# Altium PCB Main.PcbDoc (part 3 of 5)
Units mm, origin at the board's own origin, x right, y up, seen from the top; angles counter-clockwise.
Board outline 150.25 x 70.25 mm, 2 copper layers (Top Layer, Bottom Layer); 122 components, 135 nets, 595 pads, 384 vias.
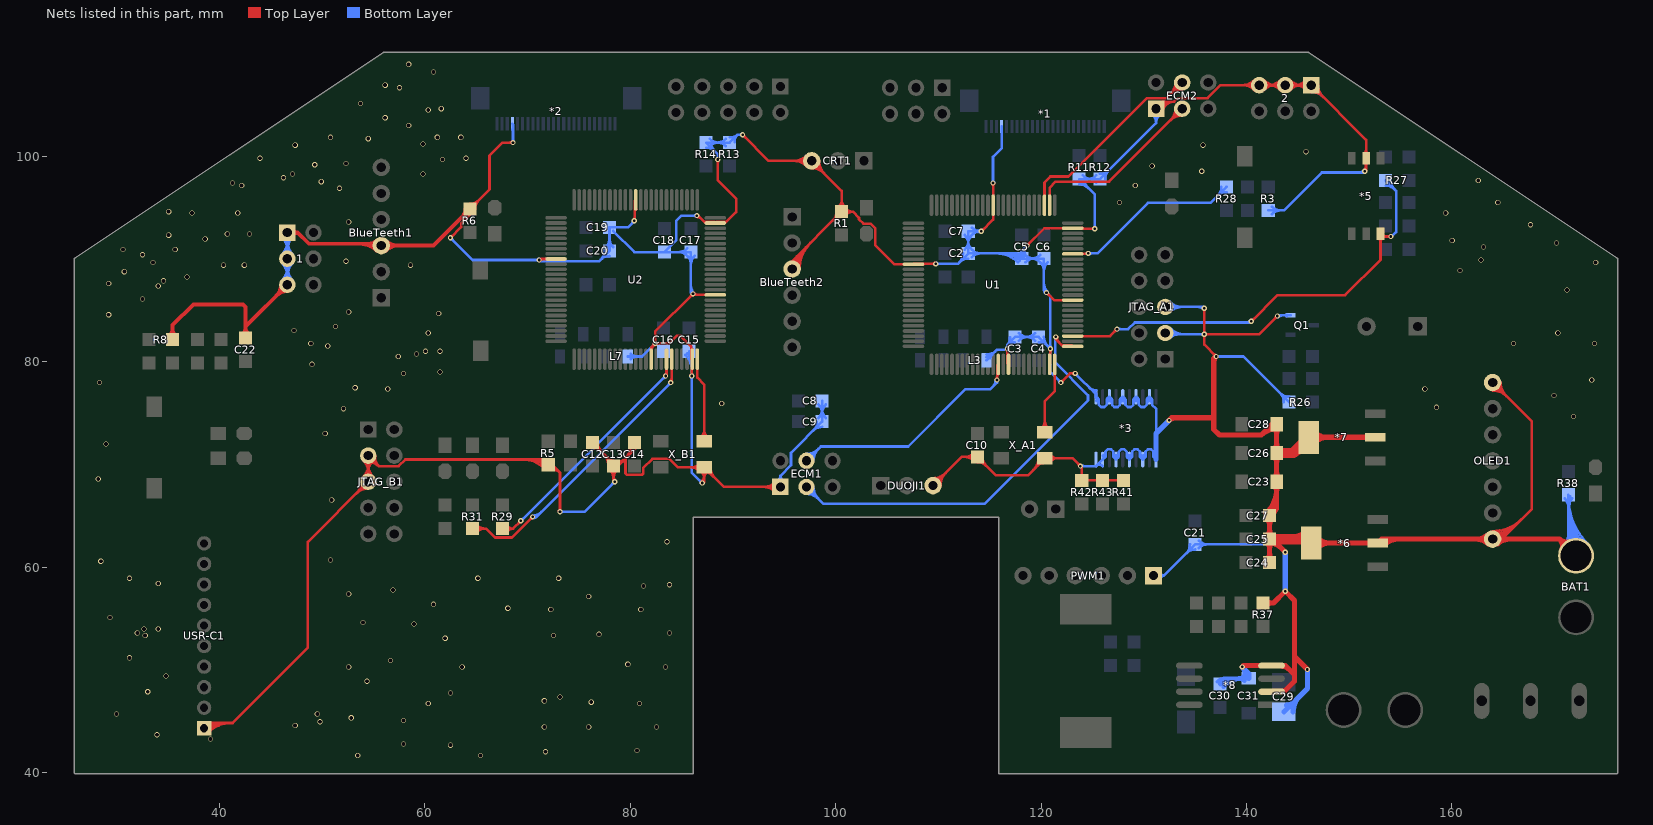
[diagram p3: the nets of this part, all layers, seen from the top]

## Via types
v1: diameter 0.508, hole 0.254, Top Layer to Bottom Layer, tented both sides, 206 vias
v2: diameter 0.508, hole 0.381, Top Layer to Bottom Layer, tented both sides, 164 vias
v3: diameter 0.762, hole 0.508, Top Layer to Bottom Layer, tented both sides, 11 vias
v4: diameter 4.5, hole 4, Top Layer to Bottom Layer, tented both sides, 3 vias

## Nets (pads, with @x,y where several pads share a name; then routed paths per layer and width w, separated by ;. In a path a pad name is that pad's centre, name@x,y a point inside that pad or via, vN(x,y) a via of type N, cw(c..) or ccw(c..) an arc to the next point about the centre after c; other vN are vias at no path point) (continued)
DGND: 1.1 1.3 1.5 2.1 2.3 2.5 *1.4 *2.4 *3.1 *3.3 *3.5 *3.7 *3.9 *3.10 *3.11 *3.13 *3.15 *3.17 *3.19 *5.2 *6.2 *7.2 *8.2 *8.4 BAT1.2 BlueTeeth1.3 BlueTeeth2.3 C2.1 C3.1 C4.1 C5.1 C6.1 C7.1 C8.1 C9.1 C10.1 C12.1 C13.1 C14.1 C15.1 C16.1 C17.1 C18.1 C19.1 C20.1 C21.1 C22.1 C23.2 C24.1 C25.1 C26.2 C27.1 C28.2 C29.2 C30.2 C31.2 CRT1.3 DUOJI1.3 ECM1.1 ECM2.1 JTAG_A1.3 JTAG_A1.5 JTAG_B1.3 JTAG_B1.5 L3.1 L7.1 OLED1.1 OLED1.7 PWM1.1 Q1.2 R1.2 R3.1 R5.1 R6.2 R8.1 R11.1 R12.1 R13.1 R14.1 R26.1 R37.1 R38.2 R41.1 R42.1 R43.1 U1.9 U1.41 U1.49 U1.60 U1.74 U1.88 U2.9 U2.41 U2.49 U2.60 U2.74 U2.88 USR-C1.1 X_A1.2 X_B1.2 | length 1051.1
  Top Layer w0.254: USR-C1.1@38.372,44.458 cw(c39.273,43.556) 39.273,44.831 ; USR-C1.1@38.506,44.323 39.014,44.831 41.275,44.831 48.614,52.17 48.614,62.457 JTAG_B1.5@54.483,68.326 JTAG_B1.3@54.483,70.866 55.51,69.839 ; USR-C1.1@38.551,44.278 cw(c39.886,42.943) 39.886,44.831 ; USR-C1.1@38.731,44.098 cw(c40.499,42.33) 40.499,44.831 ; USR-C1.1@38.911,43.919 cw(c41.113,41.717) 41.113,44.831 ; JTAG_B1.5@53.81,68.326 cw(c52.185,68.326) 53.334,67.177 cw(c54.483,66.028) JTAG_B1.5@54.483,67.653 ; JTAG_B1.5@54.007,68.802 ccw(c52.858,69.951) 54.483,69.951 ccw(c56.108,69.951) JTAG_B1.5@54.959,68.802 ; JTAG_B1.3@54.007,70.39 cw(c52.858,69.241) 54.483,69.241 cw(c56.108,69.241) JTAG_B1.3@54.959,70.39 ; JTAG_B1.5@54.064,68.326 cw(c53.052,68.326) 53.768,67.611 cw(c54.483,66.895) JTAG_B1.5@54.483,67.907 ; JTAG_B1.5@54.187,68.622 ccw(c53.471,69.338) 54.483,69.338 ccw(c55.495,69.338) JTAG_B1.5@54.779,68.622 ; JTAG_B1.3@54.187,70.57 cw(c53.471,69.854) 54.483,69.854 cw(c55.495,69.854) JTAG_B1.3@54.779,70.57 ; JTAG_B1.3@54.518,70.448 cw(c54.581,69.685) 55.122,70.227 cw(c55.664,70.768) JTAG_B1.3@54.901,70.831 ; JTAG_B1.3@54.538,70.195 cw(c54.64,68.969) 55.51,69.839 ; JTAG_B1.3@55.154,70.811 ccw(c56.38,70.709) 55.51,69.839 ; v1(62.484,92.075) 63.527,93.118 63.527,93.445 ; v1@62.484,92.202 ccw(c62.484,92.509) 62.701,92.292 ccw(c62.918,92.075) v1@62.611,92.075 ; 63.848,93.766 ccw(c63.063,94.55) R6.2@64.142,94.81 ; R6.2@63.895,94.75 cw(c62.546,94.426) 63.527,93.445 ; 64.168,94.086 ccw(c63.58,94.675) R6.2@64.389,94.869 ; R6.2@64.389,95.377 ccw(c64.389,96.603) 65.256,95.736 ccw(c66.123,94.869) R6.2@64.897,94.869 ; v1@68.49,101.256 ccw(c68.273,101.039) 68.273,101.346 ccw(c68.273,101.653) v1@68.49,101.436 ; v1(68.58,101.346) 67.564,101.346 66.294,100.076 66.294,96.774 R6.2@64.389,94.869 ; 69.556,70.485 cw(c69.556,67.524) R5.1@71.65,69.618 ; 70.169,70.485 cw(c70.169,68.137) R5.1@71.829,69.797 ; 70.783,70.485 cw(c70.783,68.751) R5.1@72.009,69.977 ; v1(71.12,89.916) 71.215,90.011 U2.9@72.771,90.011 ; v1@71.21,89.826 cw(c71.656,89.38) 71.656,90.011 ; R5.1@71.396,70.485 cw(c71.396,69.364) R5.1@72.189,70.157 ; R5.1@72.075,69.732 cw(c72.28,68.965) 72.841,69.526 ; R5.1@72.14,69.486 cw(c72.411,68.474) 73.152,69.215 ; R5.1@72.517,69.977 ccw(c72.824,69.977) R5.1@72.607,69.76 ; v1@73.062,65.495 ccw(c72.845,65.712) 73.152,65.712 ccw(c73.459,65.712) v1@73.242,65.495 ; v1(73.152,65.405) 73.152,69.215 ; C12.1@76.327,71.628 cw(c76.327,70.402) 77.194,71.269 cw(c78.061,72.136) C12.1@76.835,72.136 ; C12.1@76.327,72.136 78.359,70.104 C13.1@78.359,69.85 ; 77.312,71.151 cw(c76.011,69.85) C13.1@77.851,69.85 ; 77.746,70.717 cw(c76.879,69.85) C13.1@78.105,69.85 ; 77.925,70.538 ccw(c78.359,70.971) C13.1@78.359,70.358 ; C13.1@78,69.491 cw(c77.133,68.624) 78.359,68.624 cw(c79.585,68.624) C13.1@78.718,69.491 ; 78.359,68.939 ccw(c79.099,68.939) v1@78.576,68.416 ; C13.1@78.437,70.092 ccw(c78.678,70.842) 79.235,70.285 ; v1(78.486,68.326) 78.359,68.453 C13.1@78.359,69.85 ; C13.1@78.514,70.334 ccw(c78.821,71.287) 79.529,70.579 ; 79.836,70.886 ccw(c78.981,71.742) C14.1@80.146,72.068 ; C14.1@79.902,71.999 cw(c78.5,71.608) 79.529,70.579 ; 80.144,71.194 ccw(c79.461,71.876) C14.1@80.391,72.136 ; v1@80.301,93.816 ccw(c80.001,94.116) 80.426,94.116 ; 80.391,71.441 79.529,70.579 ; v1(80.391,93.726) 80.426,93.761 80.426,95.665 U2.88@80.524,95.763 ; 80.426,94.536 cw(c80.876,94.536) U2.88@80.558,94.854 ; C14.1@80.451,71.501 ccw(c79.942,72.011) C14.1@80.636,72.204 ; U2.41@82.024,80.259 82.024,81.389 v1(82.423,81.788) ; U2.41@82.072,81.134 cw(c82.803,81.134) v1@82.286,81.651 ; 82.166,81.443 cw(c82.58,81.204) v1@82.456,81.665 ; v1@82.296,81.788 cw(c81.989,81.788) 82.206,81.571 cw(c82.423,81.354) v1@82.423,81.661 ; v1@82.333,81.878 ccw(c82.116,82.095) 82.423,82.095 ccw(c82.73,82.095) 82.513,81.878 ccw(c82.73,82.095) 82.73,81.788 ccw(c82.73,81.481) v1@82.513,81.698 ; v1@85.889,78.703 ccw(c85.672,78.92) 85.979,78.92 ccw(c86.286,78.92) v1@86.069,78.703 ; 85.926,81.486 ccw(c86.376,81.486) U2.49@86.058,81.168 ; v1(85.979,78.613) 85.979,80.214 85.926,80.267 85.926,81.506 84.908,82.523 84.51,82.523 83.775,81.788 v1(82.423,81.788) ; 85.979,79.16 cw(c86.247,79.16) U2.49@86.058,79.35 ; v1@85.979,86.614 cw(c85.672,86.614) 85.889,86.397 cw(c86.106,86.18) v1@86.106,86.487 ; v1@86.196,86.704 ccw(c86.661,87.169) 86.661,86.511 ; v1@86.487,94.107 cw(c86.487,93.505) 86.913,93.931 ; v1(86.487,94.234) 86.609,94.234 87.234,93.609 ; X_B1.2@86.714,69.389 ccw(c85.906,68.581) 85.906,69.723 ccw(c85.906,70.865) X_B1.2@86.714,70.057 ; X_B1.2@86.864,69.389 cw(c86.056,68.581) 87.198,68.581 cw(c88.34,68.581) X_B1.2@87.533,69.389 ; v1@86.905,68.289 ccw(c86.198,68.996) 87.198,68.996 ; v1(86.995,68.199) 87.198,68.402 ; v1@87.001,68.326 ccw(c87.013,68.587) 87.198,68.402 ; v1@87.085,68.109 ccw(c86.811,68.383) 87.198,68.383 ; v1@87.122,68.205 cw(c87.383,68.217) 87.198,68.402 ; 87.202,93.641 ccw(c87.401,93.84) U2.74@87.401,93.559 ; X_B1.2@87.348,69.25 cw(c87.348,68.47) 87.9,69.022 ; U2.74@87.393,93.558 cw(c87.363,93.737) 87.234,93.609 ; X_B1.2@87.567,69.723 ccw(c88.458,69.723) 87.828,69.093 ; X_B1.2@87.821,69.723 ccw(c89.325,69.723) 88.262,68.659 ; U2.60@88.276,86.511 86.209,86.511 v1(86.106,86.614) 82.423,82.931 v1(82.423,81.788) ; v1@88.429,99.605 cw(c88.212,99.388) 88.519,99.388 cw(c88.826,99.388) v1@88.609,99.605 ; v1(88.519,99.695) 88.519,97.663 90.297,95.885 90.297,94.588 89.318,93.609 ; U2.74@89.151,93.559 ccw(c89.151,93.84) 89.35,93.641 ; U2.74@89.159,93.558 ccw(c89.189,93.737) 89.318,93.609 ; v1@90.932,101.981 cw(c90.932,101.674) 91.149,101.891 cw(c91.366,102.108) v1@91.059,102.108 ; v1(90.932,102.108) 93.472,99.568 CRT1.3@97.663,99.568 100.584,96.647 R1.2@100.584,94.615 ; ECM1.1@94.139,67.342 ccw(c92.99,66.193) 92.99,67.818 ccw(c92.99,69.443) ECM1.1@94.139,68.294 ; ECM1.1@94.319,67.522 ccw(c93.603,66.806) 93.603,67.818 ccw(c93.603,68.83) ECM1.1@94.319,68.114 ; ECM1.1@94.615,67.818 89.103,67.818 X_B1.2@87.198,69.723 ; BlueTeeth2.3@95.719,89.027 cw(c97.464,89.027) 96.23,90.261 ; BlueTeeth2.3@95.758,89.027 95.758,89.789 R1.2@100.584,94.615 ; BlueTeeth2.3@95.973,89.027 cw(c98.332,89.027) 96.664,90.695 ; BlueTeeth2.3@96.227,89.027 cw(c99.199,89.027) 97.097,91.128 ; BlueTeeth2.3@96.481,89.027 cw(c100.066,89.027) 97.531,91.562 ; CRT1.3@97.152,99.057 ccw(c95.918,97.823) 95.918,99.568 ccw(c95.918,101.313) CRT1.3@97.152,100.079 ; CRT1.3@97.331,99.236 ccw(c96.531,98.436) 96.531,99.568 ccw(c96.531,100.7) CRT1.3@97.331,99.9 ; CRT1.3@97.663,98.845 cw(c97.663,97.1) 98.897,98.334 cw(c100.131,99.568) CRT1.3@98.386,99.568 ; CRT1.3@97.663,99.099 cw(c97.663,97.967) 98.464,98.767 cw(c99.264,99.568) CRT1.3@98.132,99.568 ; R1.2@100.076,94.615 cw(c98.85,94.615) 99.717,93.748 cw(c100.584,92.881) R1.2@100.584,94.107 ; R1.2@100.225,94.974 ccw(c99.358,95.841) 100.584,95.841 ccw(c101.81,95.841) R1.2@100.943,94.974 ; R1.2@100.976,94.292 cw(c101.66,93.73) 101.66,94.615 ; R1.2@100.976,94.938 ccw(c101.66,95.5) 101.66,94.615 ; U1.9@108.478,89.469 cw(c108.637,89.31) 108.637,89.535 ; DUOJI1.3@109.474,67.945 112.268,70.739 C10.1@113.792,70.739 115.57,68.961 118.745,68.961 120.345,70.561 X_A1.2@120.345,70.612 123.063,70.612 v1(123.825,69.85) 123.952,69.723 R42.1@123.952,68.453 R43.1@125.984,68.453 R41.1@128.016,68.453 ; DUOJI1.3@109.474,68.414 ccw(c109.474,69.546) 110.275,68.746 ccw(c111.075,67.945) DUOJI1.3@109.943,67.945 ; DUOJI1.3@109.474,68.668 ccw(c109.474,70.413) 110.708,69.179 ccw(c111.942,67.945) DUOJI1.3@110.197,67.945 ; v1@109.638,89.445 ccw(c109.421,89.228) 109.421,89.535 ccw(c109.421,89.842) v1@109.638,89.625 ; v1(109.728,89.535) 107.601,89.535 U1.9@107.569,89.503 105.696,89.503 103.859,91.34 103.859,92.995 103.409,93.445 102.684,93.445 102.268,93.861 102.268,94.007 101.66,94.615 ; C10.1@113.433,70.38 ccw(c112.566,69.513) 112.566,70.739 ccw(c112.566,71.965) C10.1@113.433,71.098 ; C10.1@113.792,70.231 cw(c113.792,69.005) 114.659,69.872 cw(c115.526,70.739) C10.1@114.3,70.739 ; v1(114.173,92.71) 115.322,93.859 U1.88@115.322,95.255 115.322,97.403 v1(115.316,97.409) ; v1@114.173,92.837 ccw(c114.173,93.144) 114.39,92.927 ccw(c114.607,92.71) v1@114.3,92.71 ; v1@115.226,97.319 cw(c114.996,97.089) 115.322,97.089 ; 115.322,97.116 cw(c115.609,97.116) v1@115.406,97.319 ; v1@116.623,81.19 cw(c116.381,80.948) 116.724,80.948 ; v1(116.713,81.28) 116.724,81.269 116.724,79.849 U1.41@116.822,79.751 ; 116.724,80.978 ccw(c117.174,80.978) U1.41@116.856,80.66 ; 116.724,80.999 cw(c116.994,80.999) v1@116.803,81.19 ; v1(118.618,91.313) 120.308,93.003 U1.74@123.074,93.003 123.113,92.964 v1(125.222,92.964) ; v1@118.618,91.44 ccw(c118.618,91.747) 118.835,91.53 ccw(c119.052,91.313) v1@118.745,91.313 ; 119.246,69.462 ccw(c118.096,70.612) X_A1.2@119.722,70.612 ; 119.679,69.895 ccw(c118.963,70.612) X_A1.2@119.976,70.612 ; 119.731,69.947 cw(c120.195,69.482) X_A1.2@120.195,70.139 ; v1@120.523,86.614 cw(c120.523,86.307) 120.74,86.524 cw(c120.957,86.741) v1@120.65,86.741 ; v1(120.523,86.741) 121.261,86.003 U1.60@123.074,86.003 ; U1.49@120.788,80.66 ccw(c120.507,80.94) 120.904,80.94 ; v1@120.814,81.19 cw(c120.597,80.973) 120.904,80.973 cw(c121.211,80.973) v1@120.994,81.19 ; U1.49@120.822,79.751 120.904,79.833 v1(120.904,81.28) ; X_A1.2@120.83,70.278 cw(c121.637,69.47) 121.637,70.612 cw(c121.637,71.754) X_A1.2@120.83,70.946 ; v1(121.92,77.978) 122.809,78.867 v1(123.317,78.867) ; v1@121.92,78.105 ccw(c121.92,78.412) 122.137,78.195 ccw(c122.354,77.978) v1@122.047,77.978 ; v1@123.227,78.777 ccw(c123.01,78.56) 123.01,78.867 ccw(c123.01,79.174) v1@123.227,78.957 ; v1@123.698,69.85 ccw(c123.391,69.85) 123.608,70.067 ccw(c123.825,70.284) v1@123.825,69.977 ; U1.74@123.983,93.037 ccw(c124.159,93.213) 124.159,92.964 ; v1@125.132,92.874 ccw(c124.915,92.657) 124.915,92.964 ccw(c124.915,93.271) v1@125.132,93.054 ; ECM2.1@131.105,104.671 cw(c131.955,104.44) ECM2.1@131.955,105.321 ; ECM2.1@131.191,104.648 131.864,105.321 132.952,105.321 ; ECM2.1@131.35,104.605 cw(c132.287,104.35) 132.287,105.321 ; ECM2.1@131.595,104.538 cw(c132.619,104.26) 132.619,105.321 ; ECM2.1@131.84,104.472 cw(c132.952,104.17) 132.952,105.321 ; v1@135.8,82.587 cw(c135.583,82.37) 135.89,82.37 cw(c136.197,82.37) 135.98,82.587 cw(c136.197,82.37) 136.197,82.677 cw(c136.197,82.984) 135.98,82.767 cw(c136.197,82.984) 135.89,82.984 cw(c135.583,82.984) v1@135.8,82.767 ; v1@135.8,85.127 cw(c135.583,84.91) 135.89,84.91 cw(c136.197,84.91) v1@135.98,85.127 ; v1(135.89,85.217) v1(135.89,82.677) ; v1@136.906,80.518 ccw(c136.599,80.518) 136.816,80.735 ccw(c137.033,80.952) v1@137.033,80.645 ; v1(137.033,80.518) 135.89,81.661 v1(135.89,82.677) ; 2.5@140.748,106.458 ccw(c139.599,105.309) 139.599,106.934 ccw(c139.599,108.559) 2.5@140.748,107.41 ; 2.5@140.928,106.638 ccw(c140.212,105.922) 140.212,106.934 ccw(c140.212,107.946) 2.5@140.928,107.23 ; 2.5@141.52,106.638 cw(c142.236,105.922) 142.236,106.934 cw(c142.236,107.946) 2.5@141.52,107.23 ; 2.5@141.7,106.458 cw(c142.849,105.309) 142.849,106.934 cw(c142.849,108.559) 2.5@141.7,107.41 ; v1@142.875,84.455 cw(c142.568,84.455) 142.785,84.238 cw(c143.002,84.021) v1@143.002,84.328 ; v1(143.002,84.455) 141.224,82.677 v1(135.89,82.677) ; 2.3@143.288,106.458 ccw(c142.139,105.309) 142.139,106.934 ccw(c142.139,108.559) 2.3@143.288,107.41 ; 2.3@143.468,106.638 ccw(c142.752,105.922) 142.752,106.934 ccw(c142.752,107.946) 2.3@143.468,107.23 ; 2.3@144.06,106.638 cw(c144.776,105.922) 144.776,106.934 cw(c144.776,107.946) 2.3@144.06,107.23 ; 2.3@144.24,106.458 cw(c145.389,105.309) 145.389,106.934 cw(c145.389,108.559) 2.3@144.24,107.41 ; 2.1@145.828,106.458 ccw(c144.679,105.309) 144.679,106.934 ccw(c144.679,108.559) 2.1@145.828,107.41 ; 2.1@146.008,106.638 ccw(c145.292,105.922) 145.292,106.934 ccw(c145.292,107.946) 2.1@146.008,107.23 ; 2.1@146.304,106.261 cw(c146.304,104.636) 147.453,105.785 cw(c148.602,106.934) 2.1@146.977,106.934 ; 2.1@146.304,106.515 cw(c146.304,105.503) 147.019,106.219 cw(c147.735,106.934) 2.1@146.723,106.934 ; v1@151.421,98.642 ccw(c150.898,99.165) 151.638,99.165 ; *5.2@151.463,99.422 cw(c151.039,98.998) 151.638,98.998 cw(c152.237,98.998) *5.2@151.813,99.422 ; *5.2@151.463,100.222 ccw(c151.039,100.646) 151.638,100.646 ccw(c152.237,100.646) *5.2@151.813,100.222 ; v1(151.511,98.552) 151.638,98.679 *5.2@151.638,99.822 151.638,101.6 2.1@146.304,106.934 2.3@143.764,106.934 2.5@141.224,106.934 137.469,106.934 136.21,105.675 133.306,105.675 132.952,105.321 ; OLED1.1@163.971,62.495 ccw(c163.971,64.021) 165.05,62.942 ; OLED1.1@163.971,62.738 164.846,62.738 167.767,65.659 167.767,74.182 OLED1.7@163.971,77.978 ; OLED1.1@163.971,62.749 ccw(c163.971,64.888) 165.483,63.375 ; OLED1.1@163.971,63.003 ccw(c163.971,65.755) 165.917,63.809 ; OLED1.1@163.971,63.257 ccw(c163.971,66.622) 166.351,64.243 ; OLED1.1@163.971,63.511 ccw(c163.971,67.49) 166.784,64.676 ; OLED1.7@163.971,77.205 cw(c163.971,75.339) 165.291,76.658 cw(c166.61,77.978) OLED1.7@164.744,77.978 ; OLED1.7@163.971,77.459 cw(c163.971,76.206) 164.857,77.092 cw(c165.743,77.978) OLED1.7@164.49,77.978 ; 55.51,69.839 57.448,69.839 58.094,70.485 71.882,70.485 73.152,69.215 ; 63.527,93.445 64.389,94.307 R6.2@64.389,94.869 ; C13.1@78.359,69.85 78.8,69.85 79.529,70.579 ; 79.529,70.579 79.529,69.121 79.662,68.988 81.12,68.988 81.253,69.121 81.253,69.665 82.138,70.55 83.826,70.55 84.653,69.723 X_B1.2@87.198,69.723 ; 87.198,68.402 X_B1.2@87.198,69.723 ; 87.234,93.609 88.178,93.609 U2.74@88.276,93.511 88.374,93.609 89.318,93.609 ; R1.2@100.584,94.615 101.66,94.615
  Top Layer w0.381: R8.1@35.119,82.483 ccw(c34.36,83.242) 35.433,83.242 ccw(c36.506,83.242) R8.1@35.747,82.483 ; R8.1@35.433,82.169 35.433,83.566 37.465,85.598 42.291,85.598 42.545,85.344 42.545,83.439 ; C22.1@42.231,82.61 ccw(c41.472,83.369) 42.545,83.369 ccw(c43.618,83.369) C22.1@42.859,82.61 ; C22.1@42.545,82.296 42.545,83.439 ; 1.5@46,87.503 cw(c44.528,87.503) 45.569,86.463 cw(c46.609,85.422) 1.5@46.609,86.894 ; 1.5@46.609,87.503 42.545,83.439 ; 1.1@46.609,92.583 47.607,92.583 ; 1.1@47.151,92.305 cw(c47.607,92.071) 47.607,92.583 ; 1.1@47.151,92.861 ccw(c47.607,93.095) 47.607,92.583 ; 53.727,91.492 cw(c53.727,89.287) BlueTeeth1.3@55.287,90.847 ; 54.594,91.492 ccw(c54.594,92.472) BlueTeeth1.3@55.287,91.779 ; 54.647,91.492 cw(c54.647,90.207) BlueTeeth1.3@55.556,91.116 ; BlueTeeth1.3@56.219,90.847 cw(c57.345,89.721) 57.345,91.313 cw(c57.345,92.905) BlueTeeth1.3@56.219,91.779 ; R6.2@63.944,94.869 cw(c62.871,94.869) 63.63,94.11 cw(c64.389,93.351) R6.2@64.389,94.424 ; R6.2@64.389,94.869 60.833,91.313 BlueTeeth1.3@55.753,91.313 55.574,91.492 48.697,91.492 47.607,92.583
  Top Layer w0.508: 133.074,74.549 ccw(c133.074,73.682) v1(132.461,74.295) 132.715,74.549 136.806,74.549 ; 136.806,79.97 cw(c137.581,79.97) v1(137.033,80.518) ; 136.806,80.197 cw(c137.146,80.197) v1(137.033,80.518) ; 139.88,50.419 ccw(c139.88,49.985) v1(139.573,50.292) 139.7,50.419 *8.4@142.43,50.419 143.764,50.419 144.653,49.53 ; 141.424,72.86 cw(c142.892,71.392) C28.2@142.919,73.468 ; R37.1@141.605,56.515 142.621,56.515 v1(143.764,57.658) 144.653,56.769 144.653,51.308 ; R37.1@141.874,56.246 cw(c142.525,55.595) 142.525,56.515 cw(c142.525,57.435) R37.1@141.874,56.784 ; C24.1@141.971,60.721 ccw(c141.32,61.372) 142.24,61.372 ccw(c143.16,61.372) C24.1@142.509,60.721 ; C25.1@141.971,62.469 cw(c141.32,61.818) 142.24,61.818 cw(c143.16,61.818) C25.1@142.509,62.469 ; C25.1@141.971,63.007 ccw(c141.32,63.658) 142.24,63.658 ccw(c143.16,63.658) C25.1@142.509,63.007 ; C27.1@141.971,64.755 cw(c141.32,64.104) 142.24,64.104 cw(c143.16,64.104) C27.1@142.509,64.755 ; C27.1@141.971,65.293 ccw(c139.669,67.595) 142.924,67.595 ; C24.1@142.24,60.452 C25.1@142.24,62.738 ; C25.1@142.24,62.357 cw(c142.24,60.824) 143.324,61.908 ; C27.1@142.24,65.405 ccw(c142.24,66.325) 142.89,65.674 ccw(c143.541,65.024) C27.1@142.621,65.024 ; 142.275,73.711 cw(c142.914,73.073) C28.2@142.926,73.976 ; C27.1@142.33,64.934 ccw(c140.895,66.369) 142.924,66.369 ; *8.2@142.43,47.879 143.637,47.879 144.653,48.895 144.653,49.53 ; C23.2@142.679,67.981 cw(c142.089,67.391) 142.924,67.391 cw(c143.759,67.391) C23.2@143.169,67.981 ; C23.2@142.679,68.671 ccw(c142.089,69.261) 142.924,69.261 ccw(c143.759,69.261) C23.2@143.169,68.671 ; C26.2@142.679,70.775 cw(c142.089,70.185) 142.924,70.185 cw(c143.759,70.185) C26.2@143.169,70.775 ; C26.2@142.679,71.465 ccw(c142.089,72.055) 142.924,72.055 ccw(c143.759,72.055) C26.2@143.169,71.465 ; C28.2@142.679,73.569 cw(c142.089,72.979) 142.924,72.979 cw(c143.759,72.979) C28.2@143.169,73.569 ; *8.2@143.43,47.925 ccw(c143.43,48.536) 143.862,48.104 ; *8.4@143.43,50.373 cw(c143.43,49.456) 144.079,50.104 ; v1(143.764,61.468) 142.494,62.738 C25.1@142.24,62.738 ; v1(145.923,50.038) 144.653,51.308 ; *6.2@145.923,62.738 *6.2@146.304,62.357 *6.2@152.781,62.357 153.162,62.738 OLED1.1@163.971,62.738 ; *7.2@146.05,72.644 *7.2@152.527,72.644 ; *7.2@146.578,72.116 cw(c147.851,70.843) 147.851,72.644 cw(c147.851,74.445) *7.2@146.578,73.172 ; *6.2@146.832,61.829 cw(c148.105,60.556) 148.105,62.357 cw(c148.105,64.158) *6.2@146.832,62.885 ; *6.2@153.477,62.236 cw(c154.689,61.024) 154.689,62.738 ; OLED1.1@163.514,62.281 ccw(c162.411,61.178) 162.411,62.738 ccw(c162.411,64.298) OLED1.1@163.514,63.195 ; OLED1.1@164.428,62.281 cw(c165.531,61.178) 165.531,62.738 cw(c165.531,64.298) OLED1.1@164.428,63.195 ; 164.846,62.738 170.465,62.738 ; BAT1.2@170.691,61.661 ccw(c169.754,62.026) 170.465,62.738 ; BAT1.2@171.542,62.512 cw(c171.177,63.449) 170.465,62.738 ; BAT1.2@172.085,61.118 170.465,62.738 ; 136.806,74.549 136.806,73.408 137.354,72.86 141.424,72.86 142.478,73.914 C28.2@142.924,73.914 C26.2@142.924,71.12 C23.2@142.924,68.326 142.924,65.708 C27.1@142.24,65.024 C25.1@142.24,62.738 ; 136.806,74.549 136.806,80.291 v1(137.033,80.518) ; 144.653,49.53 144.653,51.308
  Top Layer w1.016: C25.1@142.494,62.738 *6.2@145.923,62.738 ; C26.2@142.924,71.12 144.526,71.12 ; 144.587,62.738 ccw(c144.587,64.674) *6.2@145.956,63.305 ; *7.2@145.958,71.561 ccw(c145.658,69.988) 144.526,71.12 ; *7.2@146.05,72.644 144.526,71.12
  Bottom Layer w0.254: v1@62.484,91.948 cw(c62.484,91.641) 62.701,91.858 cw(c62.918,92.075) v1@62.611,92.075 ; v1(62.484,92.075) 64.643,89.916 v1(71.12,89.916) 71.247,89.789 76.962,89.789 C20.1@77.978,90.805 C19.1@77.978,93.091 79.756,93.091 v1(80.391,93.726) ; v1@68.49,101.436 ccw(c68.273,101.653) 68.58,101.653 ccw(c68.887,101.653) v1@68.67,101.436 ; *2.4@68.505,102.651 cw(c68.323,102.469) 68.58,102.469 ; *2.4@68.521,103.167 68.58,103.108 v1(68.58,101.346) ; v1@71.03,89.826 ccw(c70.813,89.609) 70.813,89.916 ccw(c70.813,90.223) v1@71.03,90.006 ; v1@71.21,90.006 ccw(c71.733,90.529) 71.733,89.789 ; v1(73.152,65.405) 75.565,65.405 v1(78.486,68.326) ; v1@73.242,65.315 cw(c73.459,65.098) 73.459,65.405 cw(c73.459,65.712) v1@73.242,65.495 ; C20.1@77.47,90.805 cw(c76.244,90.805) 77.111,89.938 cw(c77.978,89.071) C20.1@77.978,90.297 ; C20.1@77.619,91.164 ccw(c76.752,92.031) 77.978,92.031 ccw(c79.204,92.031) C20.1@78.337,91.164 ; C19.1@78.337,92.732 80.391,90.678 C18.1@83.312,90.678 ; v1@78.359,68.326 cw(c78.052,68.326) 78.269,68.109 cw(c78.486,67.892) v1@78.486,68.199 ; L7.1@79.756,80.518 81.153,80.518 v1(82.423,81.788) ; L7.1@80.025,80.249 cw(c80.676,79.598) 80.676,80.518 cw(c80.676,81.438) L7.1@80.025,80.787 ; v1@80.264,93.726 cw(c79.957,93.726) 80.174,93.509 cw(c80.391,93.292) v1@80.391,93.599 ; v1@82.296,81.788 cw(c81.989,81.788) 82.206,81.571 cw(c82.423,81.354) v1@82.423,81.661 ; C15.1@85.366,80.667 cw(c83.885,79.186) 85.979,79.186 ; C17.1@85.544,91.037 cw(c84.676,91.904) 84.676,90.678 cw(c84.676,89.452) 85.544,90.319 cw(c84.676,89.452) 85.903,89.452 cw(c87.129,89.452) C17.1@86.262,90.319 ; C15.1@85.545,80.846 cw(c84.499,79.8) 85.979,79.8 ; v1@85.889,78.523 cw(c85.672,78.306) 85.979,78.306 cw(c86.286,78.306) v1@86.069,78.523 ; v1@85.889,78.703 ccw(c85.672,78.92) 85.979,78.92 ccw(c86.286,78.92) v1@86.069,78.703 ; 85.903,86.798 ccw(c86.29,86.798) v1@86.016,86.524 ; 85.903,87.411 ccw(c86.903,87.411) v1@86.196,86.704 ; C15.1@86.084,80.667 ccw(c86.338,80.413) 85.979,80.413 ccw(c85.112,80.413) C15.1@85.725,81.026 85.979,80.772 v1(85.979,78.613) 85.979,69.215 v1(86.995,68.199) ; v1(86.106,86.614) 85.903,86.817 C17.1@85.903,90.678 C18.1@83.312,90.678 ; v1@86.397,94.144 ccw(c86.18,93.927) 86.18,94.234 ccw(c86.18,94.541) v1@86.397,94.324 ; v1(86.487,94.234) 84.963,94.234 84.455,93.726 84.455,91.821 C18.1@83.312,90.678 ; v1@86.868,68.199 ccw(c86.561,68.199) 86.778,68.416 ccw(c86.995,68.633) v1@86.995,68.326 ; R14.1@87.376,100.838 cw(c87.376,99.612) 88.243,100.479 cw(c89.11,101.346) R14.1@87.884,101.346 ; R14.1@87.735,100.987 cw(c88.602,100.12) 88.602,101.346 cw(c88.602,102.572) R14.1@87.735,101.705 ; v1@88.429,99.785 ccw(c88.212,100.002) 88.519,100.002 ccw(c88.826,100.002) v1@88.609,99.785 ; v1(88.519,99.695) 88.519,100.203 R14.1@87.376,101.346 R13.1@89.662,101.346 90.424,102.108 ; R13.1@89.303,100.987 ccw(c88.436,100.12) 88.436,101.346 ccw(c88.436,102.572) R13.1@89.303,101.705 ; R13.1@89.711,101.852 ccw(c89.795,102.737) 90.424,102.108 ; R13.1@90.168,101.395 cw(c91.053,101.479) 90.424,102.108 ; v1@90.842,102.018 ccw(c90.625,101.801) 90.625,102.108 ccw(c90.625,102.415) v1@90.842,102.198 ; v1(90.932,102.108) 90.424,102.108 ; ECM1.1@94.315,68.42 ccw(c94.073,68.906) 94.615,68.906 ; ECM1.1@94.615,67.818 94.615,68.906 ; ECM1.1@94.915,68.42 cw(c95.157,68.906) 94.615,68.906 ; C9.1@98.171,74.168 cw(c96.945,74.168) 97.812,73.301 cw(c98.679,72.434) C9.1@98.679,73.66 ; C9.1@98.32,74.527 ccw(c97.453,75.394) 98.679,75.394 ccw(c99.905,75.394) C9.1@99.038,74.527 ; C8.1@98.32,75.841 cw(c97.453,74.974) 98.679,74.974 cw(c99.905,74.974) C8.1@99.038,75.841 ; C8.1@98.679,76.2 C9.1@98.679,74.168 95.642,71.131 95.642,69.933 94.615,68.906 ; v1(109.728,89.535) 111.887,89.535 C2.1@112.903,90.551 ; v1@109.818,89.445 cw(c110.035,89.228) 110.035,89.535 cw(c110.035,89.842) v1@109.818,89.625 ; C2.1@112.395,90.551 cw(c111.169,90.551) 112.036,89.684 cw(c112.903,88.817) C2.1@112.903,90.043 ; C2.1@112.544,90.91 ccw(c111.677,91.777) 112.903,91.777 ccw(c114.129,91.777) 113.262,90.91 ccw(c114.129,91.777) 114.129,90.551 ccw(c114.129,89.325) C2.1@113.262,90.192 ; C7.1@112.544,92.351 cw(c111.677,91.484) 112.903,91.484 cw(c114.129,91.484) 113.262,92.351 cw(c114.129,91.484) 114.129,92.71 cw(c114.129,93.936) C7.1@113.262,93.069 ; 113.848,92.634 cw(c113.937,92.301) v1@114.109,92.6 ; 113.848,92.786 ccw(c113.937,93.119) v1@114.109,92.82 ; 113.9,92.649 ccw(c113.831,92.908) v1@114.063,92.774 ; 113.9,92.771 cw(c113.831,92.512) v1@114.063,92.646 ; v1@114.083,92.62 ccw(c113.866,92.403) 113.866,92.71 ccw(c113.866,93.017) v1@114.083,92.8 ; v1(114.173,92.71) C7.1@112.903,92.71 C2.1@112.903,90.551 ; L3.1@114.681,80.137 115.724,81.18 116.613,81.18 v1(116.713,81.28) 116.713,81.661 ; L3.1@114.681,80.454 ccw(c114.681,81.221) 115.223,80.679 ; L3.1@114.681,80.709 ccw(c114.681,82.088) 115.657,81.113 ; L3.1@115.062,80.328 cw(c115.522,80.328) 115.197,80.653 ; v1@115.226,97.499 ccw(c115.009,97.716) 115.316,97.716 ccw(c115.623,97.716) v1@115.406,97.499 ; v1(115.316,97.409) 115.316,99.949 116.146,100.779 *1.4@116.146,102.913 ; 115.657,90.551 cw(c115.657,87.59) C5.1@117.751,89.684 ; 116.27,90.551 cw(c116.27,88.203) C5.1@117.93,89.863 ; v1@116.623,81.37 ccw(c116.406,81.587) 116.713,81.587 ccw(c117.02,81.587) v1@116.803,81.37 ; 116.884,90.551 cw(c116.884,88.817) C5.1@118.11,90.043 ; C3.1@116.969,82.374 cw(c116.084,82.29) 116.713,81.661 ; C3.1@117.426,81.917 ccw(c117.342,81.032) 116.713,81.661 ; C5.1@117.497,90.551 cw(c117.497,89.43) C5.1@118.29,90.223 ; C3.1@117.834,82.064 cw(c118.701,81.197) 118.701,82.423 cw(c118.701,83.649) C3.1@117.834,82.782 ; C5.1@117.915,90.512 ccw(c117.793,90.805) 118.11,90.805 ; 118.187,90.882 ccw(c118.652,90.416) C5.1@118.11,90.043 ; 118.301,90.922 cw(c118.8,90.634) 118.651,91.19 ccw(c118.73,90.894) 118.465,91.047 ccw(c118.199,91.201) v1@118.495,91.28 ; C5.1@118.305,90.512 cw(c118.427,90.805) 118.11,90.805 ; C5.1@118.319,90.187 cw(c118.907,90.592) 118.402,91.097 ; C5.1@118.469,89.684 cw(c119.336,88.817) 119.336,90.043 cw(c119.336,91.269) C5.1@118.469,90.402 ; v1@118.491,91.313 cw(c118.184,91.313) 118.401,91.096 cw(c118.618,90.879) v1@118.618,91.186 ; C5.1@118.528,90.331 cw(c119.163,90.768) v1(118.618,91.313) 118.11,90.805 ; C4.1@119.402,82.064 ccw(c118.535,81.197) 118.535,82.423 ccw(c118.535,83.649) C4.1@119.402,82.782 ; C4.1@119.761,81.915 cw(c119.761,80.689) 120.628,81.556 cw(c121.495,82.423) C4.1@120.269,82.423 ; C6.1@119.91,90.402 cw(c119.043,91.269) 119.043,90.043 cw(c119.043,88.817) 119.91,89.684 cw(c119.043,88.817) 120.269,88.817 cw(c121.495,88.817) C6.1@120.628,89.684 ; 120.269,87.048 ccw(c120.83,87.048) v1@120.433,86.651 ; 120.269,87.661 ccw(c121.443,87.661) v1@120.613,86.831 ; v1@120.523,86.614 cw(c120.523,86.307) 120.74,86.524 cw(c120.957,86.741) v1@120.65,86.741 ; v1@120.777,81.28 ccw(c120.47,81.28) 120.687,81.497 ccw(c120.904,81.714) v1@120.904,81.407 ; v1@120.814,81.19 cw(c120.597,80.973) 120.904,80.973 cw(c121.211,80.973) v1@120.994,81.19 ; v1@120.814,81.37 ccw(c120.597,81.587) 120.904,81.587 ccw(c121.211,81.587) v1@120.994,81.37 ; v1@121.793,77.978 ccw(c121.486,77.978) 121.703,78.195 ccw(c121.92,78.412) v1@121.92,78.105 ; v1(121.92,77.978) 120.904,78.994 v1(120.904,81.28) ; v1@123.317,78.74 cw(c123.317,78.433) 123.534,78.65 cw(c123.751,78.867) v1@123.444,78.867 ; v1(123.317,78.867) 125.341,76.843 *3.11@125.341,76.585 125.612,76.314 125.612,75.818 125.834,75.596 126.148,75.596 126.37,75.818 126.37,76.314 *3.13@126.641,76.585 126.912,76.314 126.912,75.818 127.134,75.596 127.448,75.596 127.67,75.818 127.67,76.314 *3.15@127.941,76.585 128.212,76.314 128.212,75.818 128.434,75.596 128.748,75.596 128.97,75.818 128.97,76.314 *3.17@129.241,76.585 129.512,76.314 129.512,75.818 129.734,75.596 130.048,75.596 130.27,75.818 130.27,76.314 *3.19@130.541,76.585 130.812,76.314 130.812,75.818 131.191,75.439 131.191,73.025 ; R11.1@123.698,97.282 cw(c123.698,96.056) 124.565,96.923 cw(c125.432,97.79) R11.1@124.206,97.79 ; v1(123.825,69.85) *3.10@125.356,69.85 ; v1@123.915,69.76 cw(c124.132,69.543) 124.132,69.85 cw(c124.132,70.157) v1@123.915,69.94 ; R11.1@124.057,97.431 cw(c124.924,96.564) 124.924,97.79 cw(c124.924,99.016) R11.1@124.057,98.149 ; 124.697,77.487 ccw(c125.341,78.13) *3.11@125.341,77.22 ; 125.131,77.053 ccw(c125.341,77.263) *3.11@125.341,76.966 ; v1@125.132,93.054 ccw(c124.915,93.271) 125.222,93.271 ccw(c125.529,93.271) v1@125.312,93.054 ; v1(125.222,92.964) 125.222,96.266 R11.1@123.698,97.79 R12.1@125.73,97.79 131.191,103.251 ; *3.11@125.335,76.56 cw(c125.242,76.202) 125.612,76.202 ; *3.11@125.354,76.204 cw(c125.339,75.931) 125.612,75.931 ; *3.11@125.368,76.457 cw(c125.353,76.199) 125.612,76.199 ; R12.1@125.371,97.431 ccw(c124.504,96.564) 124.504,97.79 ccw(c124.504,99.016) R12.1@125.371,98.149 ; R12.1@125.73,98.298 ccw(c125.73,99.524) 126.597,98.657 ccw(c127.464,97.79) R12.1@126.238,97.79 ; *3.9@125.973,69.857 ccw(c125.668,69.538) *3.10@125.356,69.85 ; *3.9@126.022,70.868 ccw(c125.984,71.143) 126.262,71.143 ; *3.9@126.056,70.616 ccw(c126.024,70.852) 126.262,70.852 ; 126.37,75.931 cw(c126.643,75.931) *3.13@126.628,76.204 ; 126.37,76.2 cw(c126.629,76.2) *3.13@126.614,76.457 ; 126.37,76.202 cw(c126.74,76.202) *3.13@126.647,76.56 ; *3.13@126.635,76.56 cw(c126.542,76.202) 126.912,76.202 ; *3.13@126.654,76.204 cw(c126.639,75.931) 126.912,75.931 ; *3.13@126.668,76.457 cw(c126.653,76.199) 126.912,76.199 ; 127.02,70.852 ccw(c127.258,70.852) *3.7@127.226,70.616 ; 127.02,71.143 ccw(c127.298,71.143) *3.7@127.26,70.868 ; *3.7@127.322,70.868 ccw(c127.284,71.143) 127.562,71.143 ; *3.7@127.356,70.616 ccw(c127.324,70.852) 127.562,70.852 ; 127.67,75.931 cw(c127.943,75.931) *3.15@127.928,76.204 ; 127.67,76.2 cw(c127.929,76.2) *3.15@127.914,76.457 ; 127.67,76.202 cw(c128.04,76.202) *3.15@127.947,76.56 ; *3.15@127.935,76.56 cw(c127.842,76.202) 128.212,76.202 ; *3.15@127.954,76.204 cw(c127.939,75.931) 128.212,75.931 ; *3.15@127.968,76.457 cw(c127.953,76.199) 128.212,76.199 ; 128.32,70.852 ccw(c128.558,70.852) *3.5@128.526,70.616 ; 128.32,71.143 ccw(c128.598,71.143) *3.5@128.56,70.868 ; *3.5@128.622,70.868 ccw(c128.584,71.143) 128.862,71.143 ; *3.5@128.656,70.616 ccw(c128.624,70.852) 128.862,70.852 ; 128.97,75.931 cw(c129.243,75.931) *3.17@129.228,76.204 ; 128.97,76.2 cw(c129.229,76.2) *3.17@129.214,76.457 ; 128.97,76.202 cw(c129.34,76.202) *3.17@129.247,76.56 ; *3.17@129.235,76.56 cw(c129.142,76.202) 129.512,76.202 ; *3.17@129.254,76.204 cw(c129.239,75.931) 129.512,75.931 ; *3.17@129.268,76.457 cw(c129.253,76.199) 129.512,76.199 ; 129.62,70.852 ccw(c129.858,70.852) *3.3@129.826,70.616 ; 129.62,71.143 ccw(c129.898,71.143) *3.3@129.86,70.868 ; *3.3@129.922,70.868 ccw(c129.884,71.143) 130.162,71.143 ; *3.3@129.956,70.616 ccw(c129.924,70.852) 130.162,70.852 ; 130.27,75.931 cw(c130.543,75.931) *3.19@130.528,76.204 ; 130.27,76.2 cw(c130.529,76.2) *3.19@130.514,76.457 ; 130.27,76.202 cw(c130.64,76.202) *3.19@130.547,76.56 ; *3.19@130.535,76.56 cw(c130.442,76.202) 130.812,76.202 ; *3.19@130.554,76.204 cw(c130.539,75.931) 130.812,75.931 ; *3.19@130.568,76.457 cw(c130.553,76.199) 130.812,76.199 ; ECM2.1@130.772,104.122 cw(c130.078,103.251) 131.191,103.251 ; 130.92,70.852 ccw(c131.158,70.852) *3.1@131.126,70.616 ; 130.92,71.143 ccw(c131.198,71.143) *3.1@131.16,70.868 ; ECM2.1@130.93,104.32 cw(c130.498,103.778) 131.191,103.778 cw(c131.884,103.778) ECM2.1@131.452,104.32 ; PWM1.1@130.937,59.182 131.953,59.182 ; *3.1@131.191,70.485 130.92,70.756 130.92,71.252 130.698,71.474 130.384,71.474 130.162,71.252 130.162,70.756 *3.3@129.891,70.485 129.62,70.756 129.62,71.252 129.398,71.474 129.084,71.474 128.862,71.252 128.862,70.756 *3.5@128.591,70.485 128.32,70.756 128.32,71.252 128.098,71.474 127.784,71.474 127.562,71.252 127.562,70.756 *3.7@127.291,70.485 127.02,70.756 127.02,71.252 126.798,71.474 126.484,71.474 126.262,71.252 126.262,70.756 *3.9@125.991,70.485 *3.10@125.356,69.85 ; ECM2.1@131.191,104.648 131.191,103.251 ; ECM2.1@131.61,104.122 ccw(c132.304,103.251) 131.191,103.251 ; PWM1.1@131.62,58.945 cw(c131.953,58.83) 131.953,59.182 ; PWM1.1@131.62,59.419 ccw(c131.953,59.534) 131.953,59.182 ; JTAG_A1.3@132.08,82.804 132.207,82.677 v1(135.89,82.677) ; JTAG_A1.5@132.08,85.344 135.763,85.344 v1(135.89,85.217) ; JTAG_A1.3@132.376,83.1 ccw(c133.398,84.122) 133.398,82.677 ccw(c133.398,81.486) JTAG_A1.3@132.556,82.328 ; JTAG_A1.5@132.376,85.048 cw(c133.092,84.332) 133.092,85.344 cw(c133.092,86.356) JTAG_A1.5@132.376,85.64 ; JTAG_A1.3@132.556,83.28 ccw(c134.011,84.735) 134.011,82.677 ; JTAG_A1.5@132.556,84.868 cw(c133.705,83.719) 133.705,85.344 cw(c133.705,86.969) JTAG_A1.5@132.556,85.82 ; C21.1@134.493,62.23 cw(c133.267,62.23) 134.134,61.363 cw(c135.001,60.496) C21.1@135.001,61.722 ; 135.277,85.344 cw(c135.277,84.604) v1@135.8,85.127 ; C21.1@135.36,61.871 cw(c136.227,61.004) 136.227,62.23 cw(c136.227,63.456) C21.1@135.36,62.589 ; v1@135.8,82.587 ccw(c135.583,82.37) 135.583,82.677 ccw(c135.583,82.984) v1@135.8,82.767 ; v1(137.033,80.518) 139.7,80.518 R26.1@144.145,76.073 ; v1@137.123,80.428 cw(c137.34,80.211) 137.34,80.518 cw(c137.34,80.825) v1@137.123,80.608 ; R3.1@142.113,94.742 143.637,94.742 147.331,98.436 151.395,98.436 v1(151.511,98.552) ; R3.1@142.472,94.383 cw(c143.339,93.516) 143.339,94.742 cw(c143.339,95.968) R3.1@142.472,95.101 ; v1(143.002,84.455) 143.063,84.516 Q1.2@144.272,84.516 ; v1@143.092,84.365 cw(c143.456,84.001) 143.456,84.516 ; v1@143.637,61.468 ccw(c143.33,61.468) 143.547,61.685 ccw(c143.764,61.902) v1@143.764,61.595 ; R26.1@143.637,76.073 ccw(c142.411,76.073) 143.278,76.94 ccw(c144.145,77.807) R26.1@144.145,76.581 ; v1(143.764,61.468) 143.002,62.23 C21.1@135.001,62.23 131.953,59.182 ; Q1.2@143.928,84.447 ccw(c143.76,84.279) 143.76,84.516 ccw(c143.76,84.753) Q1.2@143.928,84.585 ; 2.1@146.304,106.934 147.331,105.907 ; 2.1@146.339,106.516 cw(c146.402,105.753) 146.943,106.295 cw(c147.485,106.836) 2.1@146.722,106.899 ; 2.1@146.359,106.263 cw(c146.461,105.037) 147.331,105.907 ; 2.1@146.975,106.879 ccw(c148.201,106.777) 147.331,105.907 ; 150.924,98.436 ccw(c150.924,99.139) v1@151.421,98.642 ; BAT1.2@170.937,62.266 ccw(c170.006,63.197) 171.323,63.197 ccw(c174.164,63.197) BAT1.2@172.155,61.188 ; R38.2@170.964,66.697 cw(c170.097,65.83) 171.323,65.83 cw(c172.549,65.83) R38.2@171.682,66.697 ; R38.2@170.999,66.665 cw(c170.253,65.765) 171.417,65.874 ; 171.323,63.81 ccw(c174.777,63.81) BAT1.2@172.335,61.368 ; 171.323,64.423 ccw(c175.39,64.423) BAT1.2@172.514,61.547 ; 171.323,65.036 ccw(c176.003,65.036) BAT1.2@172.694,61.727 ; 171.323,65.649 ccw(c176.616,65.649) BAT1.2@172.873,61.906 ; 171.323,66.263 ccw(c177.23,66.263) BAT1.2@173.053,62.086 ; R38.2@171.323,66.876 ccw(c177.843,66.876) BAT1.2@173.233,62.266 ; R38.2@171.323,67.056 171.323,61.88 BAT1.2@172.085,61.118 ; 171.367,66.403 cw(c172.035,66.466) R38.2@171.519,66.894 ; 171.425,65.793 cw(c172.703,65.913) R38.2@171.714,66.732 ; C2.1@112.903,90.551 117.602,90.551 C5.1@118.11,90.043 ; 116.713,81.661 C3.1@117.475,82.423 C4.1@119.761,82.423 v1(120.904,81.28) ; C5.1@118.11,90.043 118.11,90.805 ; C5.1@118.11,90.043 C6.1@120.269,90.043 120.269,86.995 v1(120.523,86.741) 120.904,86.36 v1(120.904,81.28) ; 130.954,71.218 ccw(c131.191,71.455) 131.191,71.12 cw(c131.191,71.455) 130.954,71.218
  Bottom Layer w0.381: 1.5@46.178,87.934 ccw(c45.138,88.974) 46.609,88.974 ccw(c48.08,88.974) 1.5@47.04,87.934 ; 1.3@46.178,89.612 cw(c45.138,88.572) 46.609,88.572 cw(c48.08,88.572) 1.3@47.04,89.612 ; 1.3@46.178,90.474 ccw(c45.138,91.514) 46.609,91.514 ccw(c48.08,91.514) 1.3@47.04,90.474 ; 1.1@46.178,92.152 cw(c45.138,91.112) 46.609,91.112 cw(c48.08,91.112) 1.1@47.04,92.152 ; 1.5@46.609,87.503 1.3@46.609,90.043 1.1@46.609,92.583 ; C30.2@137.189,48.852 cw(c137.992,48.049) C30.2@137.992,49.184 ; C30.2@137.414,48.627 137.971,49.184 C31.2@140.208,49.184 ; C30.2@137.459,48.582 cw(c138.912,47.129) 138.912,49.184 ; C30.2@137.728,48.313 cw(c139.832,46.209) C31.2@139.832,49.184 ; C31.2@139.818,48.894 ccw(c139.119,48.195) 139.119,49.184 ccw(c139.119,50.173) C31.2@139.818,49.474
  Bottom Layer w0.508: *3.1@131.191,70.485 131.191,73.025 v1(132.461,74.295) ; C31.2@139.784,49.307 ccw(c138.917,49.636) v1(139.573,50.292) 140.208,49.657 C31.2@140.208,49.184 ; C29.2@143.637,45.921 145.923,48.207 v1(145.923,50.038) ; v1(143.764,57.658) v1(143.764,61.468) ; C29.2@143.887,46.567 ccw(c143.887,47.523) 144.563,46.847 ; C29.2@144.533,45.921 cw(c146.696,45.921) 145.167,47.451
  other v2: 53.467,41.656 65.405,41.656 71.755,42.037 80.645,42.164 62.484,42.672 57.912,42.799 39.116,43.269 33.909,43.688 71.628,44.45 75.946,44.45 82.55,44.45 47.371,44.577 49.784,44.958 57.912,45.085 52.832,45.339 29.972,45.72 49.53,45.72 60.325,46.736 80.899,46.736 76.2,46.863 71.628,46.99 73.152,47.371 62.484,47.752 33.02,47.879 54.356,48.895 34.798,49.403 52.578,50.292 63.627,50.292 83.439,50.292 79.756,50.546 56.642,50.927 31.242,51.181 61.976,53.086 32.766,53.34 72.517,53.34 76.962,53.467 32.004,53.594 83.82,53.594 32.639,53.975 34.036,53.975 58.928,54.483 53.975,54.61 29.337,55.118 72.263,55.88 81.026,55.88 68.072,56.007 60.833,56.388 75.946,57.15 52.578,57.404 56.896,57.785 81.28,58.166 83.82,58.293 34.036,58.42 31.242,58.928 65.151,58.928 73.025,58.928 28.448,60.579 50.8,60.706 83.566,62.484 50.927,66.548 28.194,68.58 28.956,72.009 50.292,73.025 171.831,74.676 52.07,75.438 158.496,75.565 88.9,75.946 169.926,76.708 56.388,77.343 157.353,77.343 53.213,77.47 28.321,77.978 173.609,78.232 57.912,78.867 61.468,78.994 49.022,79.756 57.404,80.518 59.182,80.772 60.071,81.026 61.468,81.026 50.546,81.534 48.895,81.788 165.989,81.788 173.863,81.788 60.325,82.804 170.307,82.804 47.244,83.058 51.308,83.439 29.21,84.582 61.341,84.709 52.578,84.836 32.512,86.106 171.196,86.995 34.036,87.376 29.21,87.63 34.544,87.884 36.83,88.265 30.734,88.773 160.782,88.9 40.386,89.408 42.418,89.408 58.609,89.408 33.528,89.662 173.99,89.662 52.324,89.789 162.814,89.916 32.512,90.424 30.607,90.932 35.687,90.932 163.068,91.186 170.18,91.567 160.02,91.821 38.608,91.948 35.052,92.329 40.767,92.456 42.926,92.456 167.64,93.345 52.578,93.599 37.338,94.488 41.783,94.488 159.385,94.488 35.052,94.615 127.635,95.504 164.465,95.504 51.689,96.901 42.164,97.155 129.159,97.155 41.275,97.409 49.911,97.536 162.56,97.663 46.228,97.917 47.117,98.298 59.817,98.298 135.636,98.552 130.81,99.06 49.276,99.187 52.324,99.314 61.722,99.695 43.942,99.822 64.008,99.822 145.796,100.457 47.371,101.092 135.763,101.092 59.817,101.219 54.483,101.727 50.8,101.854 61.214,101.854 63.5,101.854 58.42,102.997 56.134,103.759 60.325,104.521 61.595,104.648 53.721,105.156 57.531,106.68 56.134,106.934 60.833,108.204 58.42,108.966
ECM_DIR_1: ECM1.4 U1.39 | length 29.1
  Top Layer w0.254: v1@115.607,78.322 ccw(c115.326,78.603) 115.724,78.603 ; v1(115.697,78.232) 115.724,78.259 115.724,79.653 U1.39@115.822,79.751 ; 115.724,78.523 cw(c116.174,78.523) U1.39@115.856,78.842
  Bottom Layer w0.254: ECM1.4@97.155,70.358 98.552,71.755 107.061,71.755 112.649,77.343 115.062,77.343 115.697,77.978 v1(115.697,78.232) ; ECM1.4@97.155,70.777 ccw(c97.155,71.789) 97.87,71.073 ccw(c98.586,70.358) ECM1.4@97.574,70.358 ; ECM1.4@97.155,71.031 ccw(c97.155,72.656) 98.304,71.507 ccw(c99.453,70.358) ECM1.4@97.828,70.358 ; 115.301,77.582 ccw(c114.65,78.232) v1@115.57,78.232
ECM_DIR_2: ECM2.4 U1.78 | length 23.8
  Top Layer w0.254: U1.78@120.322,95.255 120.322,97.462 120.904,98.044 122.666,98.044 130.297,105.675 132.218,105.675 ECM2.4@133.731,107.188 ; ECM2.4@133.058,107.188 cw(c131.433,107.188) 132.582,106.039 cw(c133.731,104.89) ECM2.4@133.731,106.515 ; ECM2.4@133.312,107.188 cw(c132.3,107.188) 133.016,106.473 cw(c133.731,105.757) ECM2.4@133.731,106.769
ECM_LSB_1: ECM1.3 U1.51 | length 47.4
  Top Layer w0.254: v1(121.412,82.423) 121.412,82.221 122.032,81.601 ; v1@121.539,82.423 ccw(c122.332,82.423) 121.771,81.862 ; 122,81.633 ccw(c122.199,81.832) U1.51@122.199,81.551 ; U1.51@122.191,81.55 cw(c122.161,81.729) 122.032,81.601 ; U1.51@123.074,81.503 122.976,81.601 122.032,81.601
  Bottom Layer w0.254: ECM1.3@97.155,67.145 cw(c97.155,65.52) 98.304,66.669 cw(c99.453,67.818) ECM1.3@97.828,67.818 ; ECM1.3@97.155,67.399 cw(c97.155,66.387) 97.87,67.103 cw(c98.586,67.818) ECM1.3@97.574,67.818 ; ECM1.3@97.155,67.818 98.806,66.167 114.472,66.167 124.56,76.255 124.56,76.735 121.385,79.91 121.385,82.396 v1(121.412,82.423) ; 121.385,82.051 cw(c121.784,82.051) v1@121.502,82.333
ECM_LSB_2: ECM2.3 U1.77 | length 21.9
  Top Layer w0.254: U1.77@120.822,95.255 120.822,96.946 121.412,97.536 126.619,97.536 ECM2.3@133.731,104.648 ; ECM2.3@133.058,104.648 cw(c131.433,104.648) 132.582,103.499 cw(c133.731,102.35) ECM2.3@133.731,103.975 ; ECM2.3@133.312,104.648 cw(c132.3,104.648) 133.016,103.933 cw(c133.731,103.217) ECM2.3@133.731,104.229
EXTAL_A: U1.50 X_A1.3 | length 8.8
  Top Layer w0.254: X_A1.3@120.011,73.486 ccw(c119.146,74.351) 120.369,74.351 ; X_A1.3@120.345,73.152 120.369,73.176 120.369,76.173 121.322,77.126 U1.50@121.322,79.751 U1.50@121.285,79.714 ; 120.369,74.236 ccw(c121.43,74.236) X_A1.3@120.68,73.486
EXTAL_B: U2.50 X_B1.3 | length 10.1
  Top Layer w0.254: U2.50@86.524,80.259 86.524,78.449 87.198,77.775 X_B1.3@87.198,72.263 ; X_B1.3@86.864,72.597 ccw(c86.056,73.405) 87.198,73.405 ccw(c88.34,73.405) X_B1.3@87.533,72.597
L: *5.6 R27.2 U1.53 | length 49.1
  Top Layer w0.254: U1.53@123.074,82.503 126.699,82.503 v1(127.381,83.185) ; v1@127.254,83.185 cw(c126.947,83.185) 127.164,82.968 cw(c127.381,82.751) v1@127.381,83.058 ; v1(140.462,83.947) 143.002,86.487 149.606,86.487 153.035,89.916 *5.6@153.035,92.456 153.289,92.202 v1(154.051,92.202) ; v1@140.462,84.074 ccw(c140.462,84.381) 140.679,84.164 ccw(c140.896,83.947) v1@140.589,83.947 ; *5.6@152.86,92.056 cw(c152.436,91.632) 153.035,91.632 cw(c153.634,91.632) 153.21,92.056 cw(c153.564,91.702) 153.564,92.202 ; *5.6@153.21,92.406 ccw(c153.704,92.9) 153.704,92.202 ; v1@153.961,92.112 ccw(c153.744,91.895) 153.744,92.202 ccw(c153.744,92.509) v1@153.961,92.292
  Bottom Layer w0.254: v1(127.381,83.185) 128.469,83.185 129.115,83.831 140.346,83.831 v1(140.462,83.947) ; v1@127.471,83.095 cw(c127.688,82.878) 127.688,83.185 cw(c127.688,83.492) v1@127.471,83.275 ; 139.875,83.831 ccw(c139.875,84.534) v1@140.372,84.037 ; R27.2@153.543,97.155 cw(c153.543,95.929) 154.41,96.796 cw(c155.277,97.663) R27.2@154.051,97.663 ; R27.2@153.543,97.663 154.559,96.647 154.559,92.643 154.118,92.202 v1(154.051,92.202)
LED_1: R28.2 U1.69 | length 20.5
  Top Layer w0.254: U1.69@123.074,90.503 124.539,90.503 v1(124.587,90.551) ; 124.165,90.503 ccw(c124.165,90.973) v1@124.497,90.641
  Bottom Layer w0.254: v1(124.587,90.551) 125.476,90.551 130.402,95.477 136.498,95.477 R28.2@138.049,97.028 ; v1@124.677,90.461 cw(c124.894,90.244) 124.894,90.551 cw(c124.894,90.858) v1@124.677,90.641 ; R28.2@137.541,97.028 cw(c136.315,97.028) 137.182,96.161 cw(c138.049,95.294) R28.2@138.049,96.52
LED_4: R29.2 U2.44 | length 27.2
  Top Layer w0.254: R29.2@67.564,63.754 68.58,63.754 ; R29.2@67.97,63.449 cw(c68.58,62.992) 68.58,63.754 ; R29.2@67.97,64.059 ccw(c68.58,64.516) 68.58,63.754 ; v1@69.215,64.516 cw(c68.908,64.516) 69.125,64.299 cw(c69.342,64.082) v1@69.342,64.389 ; v1(69.342,64.516) 68.58,63.754 ; v1@83.349,78.703 ccw(c82.928,79.124) 83.524,79.124 ; v1(83.439,78.613) 83.524,78.698 U2.44@83.524,80.259
  Bottom Layer w0.254: v1(69.342,64.516) v1(83.439,78.613) v1@83.439,78.74 ; v1@69.342,64.643 ccw(c69.342,64.95) 69.559,64.733 ccw(c69.776,64.516) v1@69.469,64.516 ; v1@83.312,78.613 cw(c83.005,78.613) 83.222,78.396 cw(c83.439,78.179) v1@83.439,78.486
LED_5: R31.2 U2.45 | length 33.5
  Top Layer w0.254: R31.2@64.643,63.754 65.973,63.754 66.835,62.892 68.48,62.892 v1(70.485,64.897) ; R31.2@65.002,63.395 cw(c65.869,62.528) 65.869,63.754 cw(c65.869,64.98) R31.2@65.002,64.113 ; v1@70.358,64.897 cw(c70.051,64.897) 70.268,64.68 cw(c70.485,64.463) v1@70.485,64.77 ; v1@83.857,78.068 ccw(c83.455,78.47) 84.024,78.47 ; v1(83.947,77.978) 84.024,78.055 U2.45@84.024,80.259
  Bottom Layer w0.254: v1@70.485,64.77 ccw(c70.485,65.383) 70.919,64.95 ; v1(70.485,64.897) 70.866,64.897 v1(83.947,77.978) ; v1@70.485,65.024 ccw(c70.485,66.25) 71.352,65.383 ; v1@70.575,64.807 cw(c70.792,64.59) 70.792,64.897 cw(c70.792,65.204) v1@70.575,64.987 ; v1@83.82,77.978 cw(c83.513,77.978) 83.73,77.761 cw(c83.947,77.544) v1@83.947,77.851